# Altium PCB BatteryPack.PcbDoc (continued)
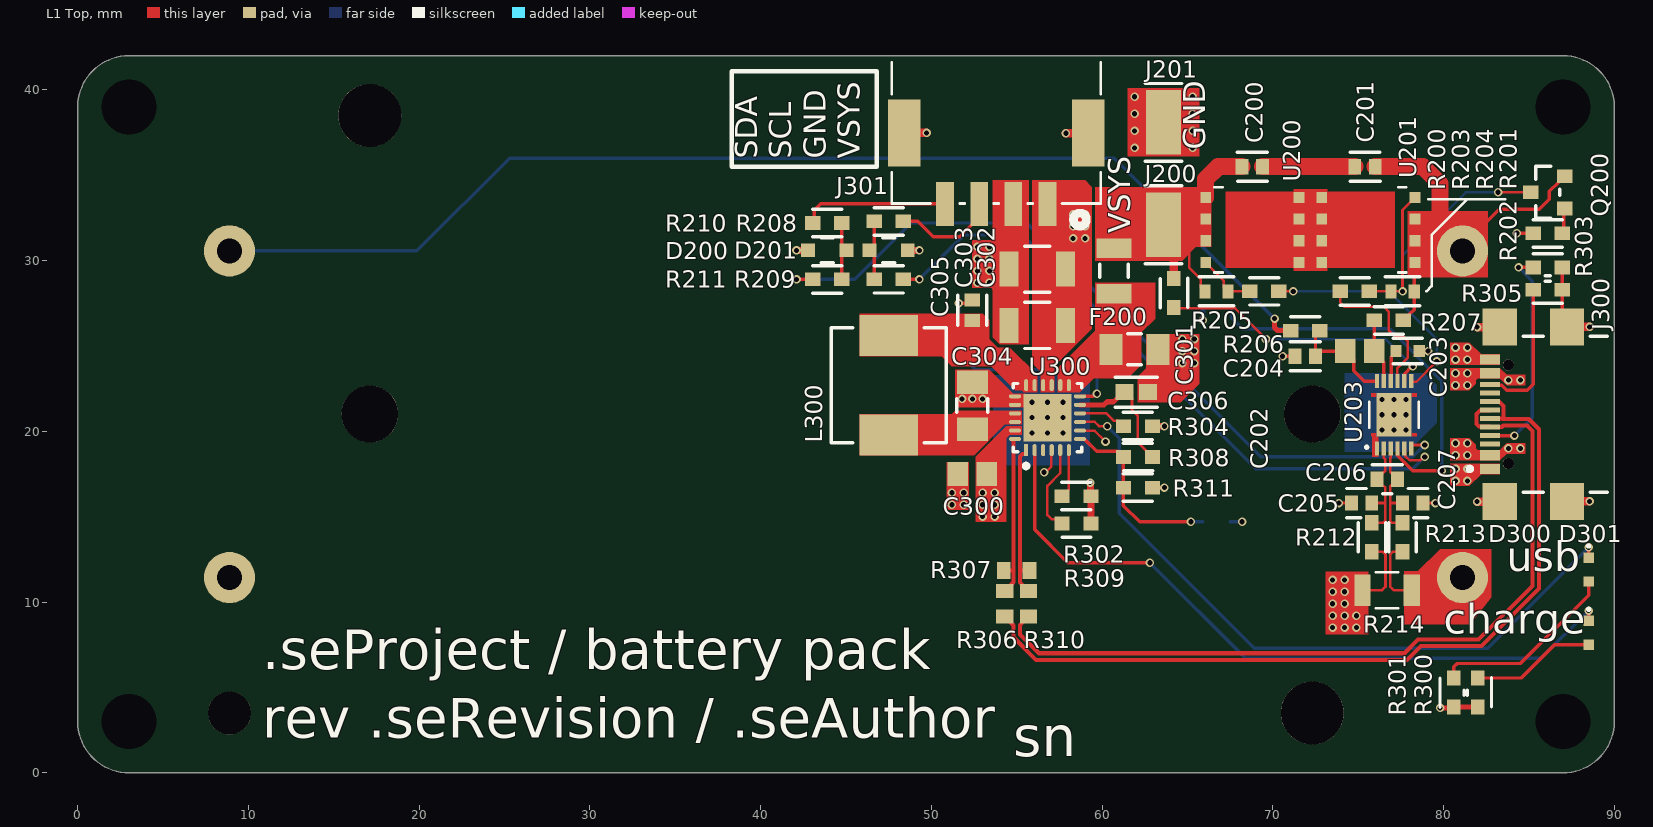
[diagram p0: L1 Top view]
## Footprints (in the part's own frame and the unit in brackets; to place one, negate y for a bottom-side part, rotate by r counter-clockwise, add the part's x,y. Pads: shape width x height; smd on the part's side, far side on the other; paste and mask are expansions set on the pad) (continued)
  silkscreen extent -26,-42 26,42, body extent -68,-36 68,36, height 35
VSON12_DRZ_TEX [mil]
  rect 32x10 smd paste+0 mask+0: 1(-77.5,39.37) 2(-77.5,23.62) 3(-77.5,7.87) 4(-77.5,-7.87) 5(-77.5,-23.62) 6(-77.5,-39.37) 7(77.5,-39.37) 8(77.5,-23.62) 9(77.5,-7.87) 10(77.5,7.87) 11(77.5,23.62) 12(77.5,39.37)
  rect 100x81 smd paste+0 mask+0: 13(0,0)
  L1 Top region: 42,-40.5 50,-40.5 50,-52.5 42,-52.5
  L1 Top region: -42,-40.5 -50,-40.5 -50,-52.5 -42,-52.5
  L1 Top region: 42,40.5 50,40.5 50,52.5 42,52.5
  L1 Top region: -42,40.5 -50,40.5 -50,52.5 -42,52.5
  silkscreen extent -78,-57 30,66, body extent -81,-53 81,53, height 32
WL-SMSW_0603_L1.6W0.98H0.8 [mm] "SMT Mono-color Side view Waterclear, body 1.6x0.98mm"
  rect 0.6x0.6 smd: 1(-1270.7,-1270.21) 2(-1269.3,-1270.21)
  silkscreen extent -1271.45,-1270.28 -1271.3,-1270.14, body extent -1270.8,-1270.5 -1269.2,-1269.52, height 0.8

## Part data
BT200: "THM Holder for Dual 18650 Batteries", Package=None, Supplier Part Number 1=36-1049-ND, Check_prices=https://www.snapeda.com/parts/1049/Keystone/view-part/?ref=eda, MF="Keystone Electronics", MP=1049, SnapEDA_Link=https://www.snapeda.com/parts/1049/Keystone/view-part/?ref=snap, Supplier 1=DigiKey, Supplier 2=Mouser, Supplier Part Number 2=534-1049
C200 C201 C204 C205 C206 C207: library part CMP-2006-03068-2, "CAP CER 0.1UF 50V 20% X7R 0603", Capacitance="0.10 μF", Manufacturer=KEMET, Package=C0603C-CF, Temperature="-55°C to +125°C", Temperature Characteristic=X7R, Temperature Coefficient=30ppm/°C, Temperature Range High=+125°C, Temperature Range Low=-55°C, Tolerance=0.2, Voltage Rating="50 V", Automotive=Yes, Automotive Grade="Grade 1", Category=Cap, ComponentLink2Description=Datasheet, ComponentLink2URL=https://api.kemet.com/component-edge/download/datasheet/C0603C100J5GACAUTO.pdf, Device Class L1="Passive Components", Device Class L2=Capacitors, Device Class L3="Ceramic Capacitors", Digikey Description="CAP CER 0.1UF 50V 20% X7R 0603", Height=0.87mm, Lead Free=Yes, Manufacturer Part Number=C0603C104M5RACTU, Material=Ceramic, Mouser Description="Multilayer Ceramic Capacitors MLCC - SMD/SMT 50volts 0.1uF X7R 20%", Octopart=https://octopart.com/c0603c104m5ractu-kemet-11855687, RoHS=TRUE
C202 C300: library part CMP-1036-04754-2, Manufacturer=Murata, Parameter 1=1μF, Part Number=GRM219R71E105KA88D
C203: library part CMP-2006-02820-2, "Chip Multilayer Ceramic Capacitors for General Purpose, 0603, 2.2uF, X5R, 15%, 10%, 25V", Capacitance=2.2uF, Case Code (Imperial)=0603, Case Code (Metric)=1608, Dielectric=X5R, Max Operating Temperature=85°C, Min Operating Temperature=-55°C, Package Quantity=4000, Resistor Type=Ceramic, Tolerance=10%, Voltage=25V, Case/Package=0603, Depth=0.8mm, Height=0.8mm, Lead Free="Lead Free", Length=1.6mm, Material=Ceramic, Mount="Surface Mount", Number of Pins=2, Packaging="Tape and Reel", Radiation Hardening=No, REACH SVHC="No SVHC", Termination=SMD/SMT, Thickness=0.035inch, Voltage Rating=25V, Voltage Rating (DC)=25V, Weight=0.000222oz, Width=0.8mm
C301 C304: library part CMP-06035-043219-1, "Chip Multilayer Ceramic Capacitors for General Purpose, 1206, 10uF, X7R, 15%, 20%, 25V"
C302 C303: library part CMP-06035-000114-2, "Chip Multilayer Ceramic Capacitors for General Purpose, 1210, 22uF, X7R, 15%, 20%, 25V", Capacitance=22uF, Case Code (Imperial)=1210, Case Code (Metric)=3225, Dielectric=X7R, Max Operating Temperature=125°C, Min Operating Temperature=-55°C, Package Quantity=4000, Resistor Type=Ceramic, Tolerance=20%, Voltage=25V, Case/Package=1210, Height=2.5mm, Length=0.126inch, Mount="Surface Mount", Packaging="Tape and Reel", Termination=SMD/SMT, Thickness=0.106inch, Voltage Rating=25V, Voltage Rating (DC)=25V, Weight=0.00388oz, Width=0.098inch
C305: library part CMP-2006-03851-2, "CAP CER 0.047UF 50V X7R 0603", Capacitance="47,000 pF", Manufacturer=KEMET, Package=C0603C-CF, Temperature="-55°C to +125°C", Temperature Characteristic=X7R, Temperature Coefficient=30ppm/°C, Temperature Range High=+125°C, Temperature Range Low=-55°C, Tolerance=0.2, Voltage Rating="50 V", Automotive=Yes, Automotive Grade="Grade 1", Category=Cap, ComponentLink2Description=Datasheet, ComponentLink2URL=https://api.kemet.com/component-edge/download/datasheet/C0603C100J5GACAUTO.pdf, Device Class L1="Passive Components", Device Class L2=Capacitors, Device Class L3="Ceramic Capacitors", Digikey Description="CAP CER 0.047UF 50V X7R 0603", Height=0.87mm, Lead Free=Yes, Manufacturer Part Number=C0603C473M5RACTU, Material=Ceramic, Mouser Description="Cap Ceramic 0.047uF 50V X7R 20% SMD 0603 125°C Paper T/R", Octopart=https://octopart.com/c0603c473m5ractu-kemet-9140001, RoHS=TRUE
C306: library part CMP-06035-024346-1, "Chip Multilayer Ceramic Capacitors for General Purpose, 0603, 4.7uF, X7R, 15%, 20%, 10V", Case/Package=0603, Parameter 1="4.7 μF"
D200 D201: library part CMP-07164-000002-1, "DIODE ZENER 5.6V 200MW SOD323F", Manufacturer="ON Semiconductor", Max Junction Temp=+150°C, Max Reverse Leakage Current=0.9uA, Max Zener Voltage=5.88V, Nom Zener Voltage=5.6V, Package=SOD-323F, Power Dissipation=200mW, Reverse Voltage=2V, Temperature="to +150°C", Automotive=No, Category=Diode, ComponentLink2Description=Datasheet, ComponentLink2URL=https://www.onsemi.com/pub/Collateral/MM3Z9V1C-D.pdf, Device Class L1="Discrete Semiconductors", Device Class L2=Diodes, Device Class L3="Zener Diodes", Digikey Description="DIODE ZENER 5.6V 200MW SOD323F", Height=1mm, Lead Free=Yes, Manufacturer Part Number=MM3Z5V6C, Mouser Description="Zener Diodes Diode Zener 5.6V 200mW 5%", Octopart=https://octopart.com/mm3z5v6c-on+semiconductor-84329899, RoHS=TRUE, Temperature Range High=+150°C, Zener Impedance=37Ω
D300 D301: library part CMP-03913-108242161-1, "155060VS75300 Led, Green, 60Mcd, 570Nm Rohs Compliant: Yes", Forward Current=30mA, Forward Voltage=2V, Max Operating Temperature=85°C, Max Reverse Voltage (DC)=5V, Min Operating Temperature=-40°C, Dominant Wavelength=570nm, Height=800µm, Length=1.6mm, Luminous Intensity=60mcd, NexarPartId=108242161, Peak Wavelength=572nm, RoHS=Compliant, Viewing Angle=140°, Width=980µm
F200: library part CMP-08605-000032-1, "FUSE BOARD MNT 5A 32VAC/VDC 1206", Fuse Current=5A, Fuse Interrupt Ac Current=50A, Fuse Voltage Drop=73.75mV, Manufacturer="Littelfuse Inc", Max Fuse Ac Voltage=32V, Package=0466, Resistance=0.011Ω, Temperature="-55°C to +90°C", Temperature Range High=+90°C, Temperature Range Low=-55°C, Automotive=No, Category=Fuse, ComponentLink2Description=Datasheet, ComponentLink2URL=https://www.littelfuse.com/~/media/electronics/datasheets/fuses/littelfuse_fuse_466_datasheet.pdf.pdf, Device Class L1="Circuit Protection", Device Class L2=Fuses, Device Class L3=unset, Digikey Description="FUSE BOARD MNT 5A 32VAC/VDC 1206", Fuse Blow Speed=Fast, Fuse I2T=2.5A2Sec, Fuse Interrupt Dc Current=50A, Height=0.66mm, Lead Free=Yes, Manufacturer Part Number=0466005.NR, Max Fuse Dc Voltage=32V, Mouser Description="Surface Mount Fuses 32V 5A VFA Slimline", Octopart=https://octopart.com/0466005.nr-littelfuse-143206, RoHS=TRUE, Voltage Rating=32V
J200 J201: library part CMP-1672-00008-2, Contact Material="Bronze, Silver", Contact Plating=Silver, Height=2.286mm, Lead Free="Lead Free", Material=Bronze, Mount="Surface Mount", NexarPartId=22052288, Number Of Contacts=1, Number of Pins=1, Packaging="Tape and Reel", REACH SVHC="No SVHC", RoHS=Compliant, Termination=SMD/SMT
J300: library part CMP-245163-000002-1, "CONN USB 2.0 TYPE-C R/A SMT", Current Rating=3/4.25/1.25/0.25A, Manufacturer=GCT, Package=0, Temperature="-40°C to +85°C", Temperature Range High=+85°C, Temperature Range Low=-40°C, Voltage Rating=20V, Automotive=No, Category=Conn, ComponentLink2Description=Datasheet, ComponentLink2URL=https://gct.co/files/drawings/usb4110.pdf, Conn Orientation="Right Angle", Contact Material=Gold,Nickel, Device Class L1=Connectors, Device Class L2="USB Connectors", Device Class L3=unset, Digikey Description="CONN USB 2.0 TYPE-C R/A SMT", Height=3.46mm, Is Female=yes, Lead Free=Yes, Manufacturer Part Number=USB4110-GF-A, Number Of Contacts=16, Octopart=https://octopart.com/usb4110-gf-a-gct-103941985, RoHS=TRUE, Shielding=true, Standoff Height=0.1mm, Usb Standard="USB 2.0"
J301: "2.00mm Pitch, Micro-Lock Plus PCB Header, Single Row, Right-Angle, Surface Mount, Matte Tin Plating, Positive Lock, 4 Circuits, Low-Halogen, Black", Manufacturer_Name="Molex Connector Corporation", Supplier Part Number 1=WM17949CT-ND, Copyright="Copyright (C) 2025 Ultra Librarian. All rights reserved.", Datasheet=https://www.molex.com/en-us/products/part-detail-pdf/5055780471?display=pdf, Manufacturer_Part_Number=5055780471, RefDes=RefDes, Supplier 1=DigiKey, Supplier 2=DigiKey, Supplier 3=Mouser, Supplier Part Number 2=WM17949DKR-ND, Supplier Part Number 3=538-505578-0471, Type=Type
L300: library part CMP-02424-000599-1, "Commercial Inductors, High Saturation Series 1uH 11A 10mΩ 20%", Case/Package=2525, Current Rating=11A, DC Resistance (DCR)=10mR, Inductance=1uH, Inductance Tolerance=20%, Max Operating Temperature=125°C, Min Operating Temperature=-55°C, Package Quantity=2000, Saturation Current=22A, Self Resonant Frequency=5MHz, Test Frequency=100kHz, Contact Plating=Tin, Core Material=Metal, Depth=6.72mm, Height=3mm, Lead Free="Lead Free", Length=7.24mm, Max DC Current=11A, Military Standard=Not, Mount="Surface Mount", Number of Pins=2, Packaging="Tape and Reel", Radiation Hardening=No, RMS Current (Irms)=11A, Shielding=Shielded, Termination=SMD/SMT, Tolerance=20%, Width=6.47mm
Q200: library part CMP-07173-000009-1, "MOSFET N-CH 60V 300MA SOT23", Continuous Drain Current=320mA, Drain to Source Breakdown Voltage=60V, Drain to Source Resistance=1.19Ω, Gate To Source Voltage=20V, Input Capacitace At Vds="24.5pF @ 20V", Manufacturer="ON Semiconductor", Max Forward Diode Voltage=1.2V, Max Junction Temp=+150°C, Package=318-08, Power Dissipation=300mW, Pulse Drain Current=5A, Temperature="-55°C to +150°C", Temperature Range Low=-55°C, Typ Forward Diode Voltage=0.8V, Automotive=No, Category=Trans, ComponentLink2Description=Datasheet, ComponentLink2URL=https://www.onsemi.com/pub/Collateral/2N7002K-D.pdf, Depletion Mode=False, Device Class L1="Discrete Semiconductors", Device Class L2=Transistors, Device Class L3=MOSFETs, Digikey Description="MOSFET N-CH 60V 300MA SOT23", Drain To Source Voltage=60V, Footprint Url=https://www.onsemi.com/pub/Collateral/318-08.PDF, Gate Charge At Vgs="0.7nC @ 4.5V", Height=1.11mm, Ipc Land Pattern Name=SOT95P240X100-3, Lead Free=Yes, Manufacturer Part Number=2N7002K, Mouser Description="N-Channel 60 V 2 Ohm SMT Enhancement Mode Field Effect Transistor SOT-23", Number Of Channels=1, Number Of N Channels=1, Octopart=https://octopart.com/2n7002k-on+semiconductor-84408900, RoHS=TRUE, Rthja Max=417°C/W, Standoff Height=0.01mm, Temperature Range High=+150°C, Threshold Vgs Max=2.3V, Threshold Vgs Min=1V, Transconductance=0.53S, Turn Off Delay Time=55.8ns, Turn On Delay Time=12.2ns
R200 R201: library part CMP-03412-018066-2, "RES 10MΩ 1.00% 0.1W 0603", Case Code (Imperial)=0603, Case Code (Metric)=1608, Max Operating Temperature=155°C, Max Power Dissipation=100mW, Min Operating Temperature=-55°C, Resistance=10MR, Resistor Type="Thick Film", Temperature Coefficient=100ppm/°C, Tolerance=1%, Voltage Rating=50V, Case/Package=0603, Features="Moisture Resistant", Height=0.022inch, Length=0.063inch, Number of Terminations=2, Packaging="Tape and Reel", Power Rating=100mW, RoHS Compliant=Yes, Series=AC, Termination=SMD/SMT, Weight=7.1E-05oz, Width=0.8mm
R202 R309: library part CMP-03412-005349-1, "RES SMD 10K OHM 1% 1/10W 0603", Manufacturer=Yageo, Package=RT0603, Power Rating=0.1W, Resistance=10KΩ, Temperature="-55°C to +155°C", Temperature Coefficient="50 ppm/°C", Temperature Range High=+155°C, Temperature Range Low=-55°C, Tolerance=0.01, Voltage Rating=75V, Automotive=No, Category=Res, ComponentLink2Description=Datasheet, ComponentLink2URL=http://www.yageo.com/documents/recent/PYu-RT_1-to-0.01_RoHS_L_9.pdf, Composition="Thin Film", Device Class L1="Passive Components", Device Class L2=Resistors, Device Class L3="Chip SMD Resistors", Digikey Description="RES SMD 10K OHM 1% 1/10W 0603", Footprint Url=http://www.yageo.com/exep/pages/download/literatures/PYu-R_Mount_10.pdf, Height=0.55mm, Ipc Land Pattern Name=RESC16080X45, Lead Free=Yes, Manufacturer Part Number=RT0603FRE0710KL, Mouser Description="Thin Film Resistors - SMD 10K ohm 1% 1/10W", Octopart=https://octopart.com/rt0603fre0710kl-yageo-40009243, RoHS=TRUE, Series=RT
R203 R204 R303 R305: library part CMP-2000-04778-2, "RES SMD 5.1K OHM 1% 1/10W 0603", Manufacturer=Yageo, Package=RT0603, Power Rating=0.1W, Resistance=5.1KΩ, Temperature="-55°C to +155°C", Temperature Coefficient="50 ppm/°C", Temperature Range High=+155°C, Temperature Range Low=-55°C, Tolerance=0.01, Voltage Rating=75V, Automotive=No, Category=Res, ComponentLink2Description=Datasheet, ComponentLink2URL=http://www.yageo.com/documents/recent/PYu-RT_1-to-0.01_RoHS_L_9.pdf, Composition="Thin Film", Device Class L1="Passive Components", Device Class L2=Resistors, Device Class L3="Chip SMD Resistors", Digikey Description="RES SMD 5.1K OHM 1% 1/10W 0603", Footprint Url=http://www.yageo.com/exep/pages/download/literatures/PYu-R_Mount_10.pdf, Height=0.55mm, Ipc Land Pattern Name=RESC16080X45, Lead Free=Yes, Manufacturer Part Number=RT0603FRE075K1L, Mouser Description="Res Thin Film 0603 5.1K Ohm 1% 0.1W(1/10W) ±50ppm/C Epoxy Pad SMD T/R", Octopart=https://octopart.com/rt0603fre075k1l-yageo-1421390, RoHS=TRUE, Series=RT
R205: library part CMP-03412-033408-1, "RES SMD 10 OHM 1% 1/10W 0603", Manufacturer=Yageo, Package=RT0603, Power Rating=0.1W, Resistance=10Ω, Temperature="-55°C to +155°C", Temperature Coefficient="50 ppm/°C", Temperature Range High=+155°C, Temperature Range Low=-55°C, Tolerance=0.01, Voltage Rating=75V, Automotive=No, Category=Res, ComponentLink2Description=Datasheet, ComponentLink2URL=http://www.yageo.com/documents/recent/PYu-RT_1-to-0.01_RoHS_L_9.pdf, Composition="Thin Film", Device Class L1="Passive Components", Device Class L2=Resistors, Device Class L3="Chip SMD Resistors", Digikey Description="RES SMD 10 OHM 1% 1/10W 0603", Footprint Url=http://www.yageo.com/exep/pages/download/literatures/PYu-R_Mount_10.pdf, Height=0.55mm, Ipc Land Pattern Name=RESC16080X45, Lead Free=Yes, Manufacturer Part Number=RT0603FRE0710RL, Mouser Description="Thin Film Resistors - SMD 1/10W 10 ohm 1% 50ppm", Octopart=https://octopart.com/rt0603fre0710rl-yageo-39827693, RoHS=TRUE, Series=RT
R206 R208 R209 R210 R211 R212 R213: library part CMP-03412-022806-1, "RES SMD 100 OHM 1% 1/10W 0603", Manufacturer=Yageo, Package=RT0603, Power Rating=0.1W, Resistance=100Ω, Temperature="-55°C to +155°C", Temperature Coefficient="50 ppm/°C", Temperature Range High=+155°C, Temperature Range Low=-55°C, Tolerance=0.01, Voltage Rating=75V, Automotive=No, Category=Res, ComponentLink2Description=Datasheet, ComponentLink2URL=http://www.yageo.com/documents/recent/PYu-RT_1-to-0.01_RoHS_L_9.pdf, Composition="Thin Film", Device Class L1="Passive Components", Device Class L2=Resistors, Device Class L3="Chip SMD Resistors", Digikey Description="RES SMD 100 OHM 1% 1/10W 0603", Footprint Url=http://www.yageo.com/exep/pages/download/literatures/PYu-R_Mount_10.pdf, Height=0.55mm, Ipc Land Pattern Name=RESC16080X45, Lead Free=Yes, Manufacturer Part Number=RT0603FRE07100RL, Mouser Description="Thin Film Resistors - SMD 1/10W 100 ohm 1% 50ppm", Octopart=https://octopart.com/rt0603fre07100rl-yageo-39792638, RoHS=TRUE, Series=RT
R207: library part CMP-03412-016927-1, "RES SMD 5.1 OHM 1% 1/10W 0603", Manufacturer=Yageo, Package=RT0603, Power Rating=0.1W, Resistance=5.1Ω, Temperature="-55°C to +155°C", Temperature Coefficient="50 ppm/°C", Temperature Range High=+155°C, Temperature Range Low=-55°C, Tolerance=0.01, Voltage Rating=75V, Automotive=No, Category=Res, ComponentLink2Description=Datasheet, ComponentLink2URL=http://www.yageo.com/documents/recent/PYu-RT_1-to-0.01_RoHS_L_9.pdf, Composition="Thin Film", Device Class L1="Passive Components", Device Class L2=Resistors, Device Class L3="Chip SMD Resistors", Digikey Description="RES SMD 5.1 OHM 1% 1/10W 0603", Footprint Url=http://www.yageo.com/exep/pages/download/literatures/PYu-R_Mount_10.pdf, Height=0.55mm, Ipc Land Pattern Name=RESC16080X45, Lead Free=Yes, Manufacturer Part Number=RT0603FRE075R1L, Octopart=https://octopart.com/rt0603fre075r1l-yageo-25630341, RoHS=TRUE, Series=RT
R214: "Description", Manufacturer_Name="Stackpole International", Supplier Part Number 1=CSNL1206FT1L00CT-ND, Copyright="Copyright (C) 2025 Ultra Librarian. All rights reserved.", Manufacturer_Part_Number=CSNL1206FT1L00, Parameter 1=1mΩ, Supplier 1=DigiKey, Supplier 2=DigiKey, Supplier 3=DigiKey, Supplier 4=Mouser, Supplier Part Number 2=CSNL1206FT1L00DKR-ND, Supplier Part Number 3=CSNL1206FT1L00TR-ND, Supplier Part Number 4=708-CSNL1206FT1L00
R300 R301: library part CMP-03412-033768-1, "RES SMD 2.2K OHM 1% 1/10W 0603", Manufacturer=Yageo, Package=RT0603, Power Rating=0.1W, Resistance=2.2KΩ, Temperature="-55°C to +155°C", Temperature Coefficient="50 ppm/°C", Temperature Range High=+155°C, Temperature Range Low=-55°C, Tolerance=0.01, Voltage Rating=75V, Automotive=No, Category=Res, ComponentLink2Description=Datasheet, ComponentLink2URL=http://www.yageo.com/documents/recent/PYu-RT_1-to-0.01_RoHS_L_9.pdf, Composition="Thin Film", Device Class L1="Passive Components", Device Class L2=Resistors, Device Class L3="Chip SMD Resistors", Digikey Description="RES SMD 2.2K OHM 1% 1/10W 0603", Footprint Url=http://www.yageo.com/exep/pages/download/literatures/PYu-R_Mount_10.pdf, Height=0.55mm, Ipc Land Pattern Name=RESC16080X45, Lead Free=Yes, Manufacturer Part Number=RT0603FRE072K2L, Mouser Description="High Precision-High Stability Chip Resistor Thin Film 0603 2.2kOhm 1% Paper T/R", Octopart=https://octopart.com/rt0603fre072k2l-yageo-40019811, RoHS=TRUE, Series=RT
R302: library part CMP-03412-003286-1, "RES SMD 150K OHM 1% 1/10W 0603", Manufacturer=Yageo, Package=RT0603, Power Rating=0.1W, Resistance=150KΩ, Temperature="-55°C to +155°C", Temperature Coefficient="50 ppm/°C", Temperature Range High=+155°C, Temperature Range Low=-55°C, Tolerance=0.01, Voltage Rating=75V, Automotive=No, Category=Res, ComponentLink2Description=Datasheet, ComponentLink2URL=http://www.yageo.com/documents/recent/PYu-RT_1-to-0.01_RoHS_L_9.pdf, Composition="Thin Film", Device Class L1="Passive Components", Device Class L2=Resistors, Device Class L3="Chip SMD Resistors", Digikey Description="RES SMD 150K OHM 1% 1/10W 0603", Footprint Url=http://www.yageo.com/exep/pages/download/literatures/PYu-R_Mount_10.pdf, Height=0.55mm, Ipc Land Pattern Name=RESC16080X45, Lead Free=Yes, Manufacturer Part Number=RT0603FRE07150KL, Mouser Description="High Precision-High Stability Chip Resistor Thin Film 0603 150kOhm 1% Paper T/R", Octopart=https://octopart.com/rt0603fre07150kl-yageo-39990114, RoHS=TRUE, Series=RT
R304: library part CMP-03412-009081-1, "RES SMD 5.6K OHM 1% 1/10W 0603", Manufacturer=Yageo, Package=RT0603, Power Rating=0.1W, Resistance=5.6KΩ, Temperature="-55°C to +155°C", Temperature Coefficient="50 ppm/°C", Temperature Range High=+155°C, Temperature Range Low=-55°C, Tolerance=0.01, Voltage Rating=75V, Automotive=No, Category=Res, ComponentLink2Description=Datasheet, ComponentLink2URL=http://www.yageo.com/documents/recent/PYu-RT_1-to-0.01_RoHS_L_9.pdf, Composition="Thin Film", Device Class L1="Passive Components", Device Class L2=Resistors, Device Class L3="Chip SMD Resistors", Digikey Description="RES SMD 5.6K OHM 1% 1/10W 0603", Footprint Url=http://www.yageo.com/exep/pages/download/literatures/PYu-R_Mount_10.pdf, Height=0.55mm, Ipc Land Pattern Name=RESC16080X45, Lead Free=Yes, Manufacturer Part Number=RT0603FRE075K6L, Mouser Description="Res Thin Film 0603 5.6K Ohm 1% 1/10W ?50ppm/C Molded SMD SMD Paper T/R", Octopart=https://octopart.com/rt0603fre075k6l-yageo-40030215, RoHS=TRUE, Series=RT
R306 R307 R310: library part CMP-2100-03667-1, "Chip Resistor, 0 Ohm, +/- 5%, 0.1 W, -55 to 155 degC, 0603 (1608 Metric), RoHS, Tape and Reel", Case Code (Imperial)=0603, Case Code (Metric)=1608, Manufacturer=Yageo, Max Operating Temperature=155degC, Min Operating Temperature=-55degC, Package Description="2-Pin Surface Mount Device, Body 1.6 x 0.8 mm", Package Quantity=5000, Power Rating=100mW, Resistance=0mOhm, Temperature Coefficient=200ppm/degreesC, Tolerance=5%, Voltage Rating=50V, Case/Package=0603, Composition=ThickFilm, Contact Plating=Tin, Datasheet URL=http://www.yageo.com/NewPortal/yageodocoutput?fileName=/pdf/R-Chip/PYu-RC_Group_51_RoHS_L_5.pdf, Datasheet Version="Rev. 5, 10/2016", Depth=0.8mm, Height=0.45mm, Lead Free=LeadFree, Length=1.6mm, Manufacturer URL=http://www.yageo.com/, Military Standard=Not, Number of Pins=2, Package Reference=0603, Packaging=TapeandReel, Radiation Hardening=No, REACH SVHC=NoSVHC, RoHSCompliant=true, Termination=SMD/SMT, Voltage Rating (DC)=50V, Width=0.8mm
R308: library part CMP-03412-006003-1, "RES SMD 5.23K OHM 1% 1/10W 0603", Manufacturer=Yageo, Package=RT0603, Power Rating=0.1W, Resistance=5.23KΩ, Temperature="-55°C to +155°C", Temperature Coefficient="50 ppm/°C", Temperature Range High=+155°C, Temperature Range Low=-55°C, Tolerance=0.01, Voltage Rating=75V, Automotive=No, Category=Res, ComponentLink2Description=Datasheet, ComponentLink2URL=http://www.yageo.com/documents/recent/PYu-RT_1-to-0.01_RoHS_L_9.pdf, Composition="Thin Film", Device Class L1="Passive Components", Device Class L2=Resistors, Device Class L3="Chip SMD Resistors", Digikey Description="RES SMD 5.23K OHM 1% 1/10W 0603", Footprint Url=http://www.yageo.com/exep/pages/download/literatures/PYu-R_Mount_10.pdf, Height=0.55mm, Ipc Land Pattern Name=RESC16080X45, Lead Free=Yes, Manufacturer Part Number=RT0603FRE075K23L, Mouser Description="Thin Film Resistors 1/10W 5.23K ohm 1% 50ppm", Octopart=https://octopart.com/rt0603fre075k23l-yageo-1422860, RoHS=TRUE, Series=RT
R311: library part CMP-2000-04723-2, "RES SMD 30.1K OHM 1% 1/10W 0603", Manufacturer=Yageo, Package=RT0603, Power Rating=0.1W, Resistance=30.1KΩ, Temperature="-55°C to +155°C", Temperature Coefficient="50 ppm/°C", Temperature Range High=+155°C, Temperature Range Low=-55°C, Tolerance=0.01, Voltage Rating=75V, Automotive=No, Category=Res, ComponentLink2Description=Datasheet, ComponentLink2URL=http://www.yageo.com/documents/recent/PYu-RT_1-to-0.01_RoHS_L_9.pdf, Composition="Thin Film", Device Class L1="Passive Components", Device Class L2=Resistors, Device Class L3="Chip SMD Resistors", Digikey Description="RES SMD 30.1K OHM 1% 1/10W 0603", Footprint Url=http://www.yageo.com/exep/pages/download/literatures/PYu-R_Mount_10.pdf, Height=0.55mm, Ipc Land Pattern Name=RESC16080X45, Lead Free=Yes, Manufacturer Part Number=RT0603FRE0730K1L, Mouser Description="Res Thin Film 0603 30.1K Ohm 1% 1/10W ±50ppm/°C SMD Paper T/R", Octopart=https://octopart.com/rt0603fre0730k1l-yageo-1278177, RoHS=TRUE, Series=RT
U200 U201: "25-V, N channel NexFETâ„¢ power MOSFET, single SON 5 mm x 6 mm, 16 mOhm 8-VSONP -55 to 150", Manufacturer_Name="Texas Instruments", Supplier Part Number 1=296-24256-1-ND, Copyright="Copyright (C) 2025 Ultra Librarian. All rights reserved.", Datasheet=https://www.ti.com/lit/gpn/csd16412q5a, Manufacturer_Part_Number=CSD16412Q5A, RefDes=RefDes, Supplier 1=DigiKey, Supplier 2=DigiKey, Supplier 3=Mouser, Supplier Part Number 2=296-24256-6-ND, Supplier Part Number 3=595-CSD16412Q5A, Type=Type
U202 U301: library part CMP-02404-000014-2, "THERMISTOR NTC 10KOHM 3435K 0603", Case Code (Imperial)=0603, Case Code (Metric)=1608, Max Operating Temperature=150°C, Max Power Dissipation=125mW, Min Operating Temperature=-40°C, Resistance=10kΩ, Tolerance=1%, Case/Package=0603, Contact Plating=Tin, Depth=800µm, Height=800µm, Length=1.6mm, Mount="Surface Mount", NexarPartId=44562204, Number of Pins=2, Packaging="Cut Tape (CT)", Power Rating=125mW, RoHS=Compliant, Schedule B="8533400080, 8533400080", Termination=SMD/SMT, Weight=1.19068mg, Width=800µm
U203: "Battery fuel gauge with integrated protector for 1-series to 2 series packs with 1.2-V I/O 12-SON -40 to 85", Manufacturer_Name="Texas Instruments", Supplier Part Number 1=296-BQ28Z620DRZRCT-ND, Copyright="Copyright (C) 2025 Ultra Librarian. All rights reserved.", Manufacturer_Part_Number=BQ28Z620DRZR, RefDes=RefDes, Supplier 1=DigiKey, Supplier 2=DigiKey, Supplier 3=Mouser, Supplier Part Number 2=296-BQ28Z620DRZRDKR-ND, Supplier Part Number 3=595-BQ28Z620DRZR, Type="Power Management"
U300: library part CMP-04911-000046-1, "PWR MGMT BATTERY MGMT"

## Free pads (board coordinates)
  round 0 hole 3.2 unplated mask-2539.97: ""(3,3) ""(3,39) ""(87,3) ""(87,39)

## Via types
v1: diameter 0.5, hole 0.3, L1 Top to L4 Bottom, tented both sides, 115 vias
v2: diameter 0.5, hole 0.3, L1 Top to L4 Bottom, 18 vias

## Nets (pads, with @x,y where several pads share a name; then routed paths per layer and width w, separated by ;. In a path a pad name is that pad's centre, name@x,y a point inside that pad or via, vN(x,y) a via of type N, cw(c..) or ccw(c..) an arc to the next point about the centre after c; other vN are vias at no path point)
BGND: BT200.N2 C203.2 C204.1 C205.1 C207.2 R202.1 R213.1 R214.2 U202.2 U203.1 U203.13 | length 8.6
  L1 Top w0.15: R213.1 77.05,12.95 76.875,12.775 76.875,10.9 77.075,10.7 R214.2
  L1 Top w0.2: v1(70.575,24.4) C204.1 ; v1(73.875,15.8) C205.1 ; C203.2 v1(79.1,24.7) ; C207.2 v1(79.525,15.8) ; v1(84.3,31.6) R202.1@85.35,31.6
  L4 Bottom w0.3: v1(65.9,26.5) U202.2
  other v2: 76.4,20.069 77.1,20.069 77.8,20.068 76.4,20.969 77.1,20.969 77.8,20.968 76.4,21.868 77.1,21.868 77.8,21.868
DN: R307.1 R310.1 U300.1 | length 9.3
  L1 Top w0.24: 55.196,11.858 R307.1 ; U300.1 55.55,18.664 55.341,18.664 55.2,18.523 55.2,11.7 55.2,11.15 R310.1
DP: R306.1 R307.2 U300.24 | length 9.7
  L1 Top w0.24: R307.2 54.806,11.858 ; R306.1 54.81,11.16 54.81,11.7 54.81,19.397 54.777,19.43 U300.24
GND: C300.1 C301.1 C302.1 C303.1 C304.1 C306.1 D200.1 D201.1 J201.1 J300.1 J300.2 J300.3 J300.4 J300.A1-B12 J300.B1-A12 J301.2 J301.5 J301.6 R212.1 R214.1 R302.1 R303.1 R304.1 R305.1 R309.1 R311.1 U300.4 U300.8 U300.19 U300.20 U300.25 U301.1 | length 28.2
  L1 Top w0.15: v2(55.9,19.9) 55.983,19.983 U300.25@55.983,20.983 ; v1(56.6,17.6) 56.688,17.6 57.033,17.945 U300.4@57.033,18.88 ; v2(56.8,19.9) v2(56.8,20.8) U300.25@56.8,20.966 ; U300.25@57.583,20.983 57.7,20.866 v2(57.7,20.8) v2(57.7,19.9) ; U300.8 58.72,20.033 59.567,20.033 v1(60.2,19.4) ; R214.1 76.4,10.7 76.6,10.9 76.6,12.775 76.425,12.95 R212.1
  L1 Top w0.2: R311.1 v1(63.65,16.7) ; R303.1 R305.1 86.95,26.385 J300.4
  L1 Top w0.4: v1(42.1,30.6) D200.1 ; D201.1 v1(49.3,30.6) ; v1(59.3,17) 59.319,16.981 59.319,16.231 R302.1 R309.1 ; R304.1 v1(63.65,20.3)
  L1 Top w0.5: J301.6 48.41,37.481 v1(49.725,37.481) ; v1(57.875,37.461) 59.19,37.461 J301.5 ; v1(81.97,15.88) 83.285,15.88 J300.1 ; v1(81.97,26.1) 83.285,26.1 J300.2 J300.2@83.305,26.12 ; J300.3 87.235,15.9 v1(88.55,15.9) ; J300.4 87.235,26.12 v1(88.55,26.12)
  L4 Bottom w0.2: U301.1 v1(68.2,14.7)
  other v1: 73.5,8.5 74.2,8.5 74.9,8.5 73.5,9.2 74.2,9.2 74.9,9.2 73.5,9.9 74.2,9.9 73.5,10.6 74.2,10.6 73.5,11.3 74.2,11.3 51.2,15.7 51.9,15.7 51.2,16.4 51.9,16.4 80.7,17.1 81.4,17.1 80.7,17.8 81.4,17.8 51.8,21.9 52.4,21.9 53,21.9 64.7,24 65.4,24 80.7,24.2 81.4,24.2 64.7,24.7 65.4,24.7 80.7,24.9 81.4,24.9 64.7,25.4 65.4,25.4 52.7,28.7 53.4,28.7 52.7,29.4 53.4,29.4 52.7,30.1 53.4,30.1 52.7,30.8 53.4,30.8 61.9,36.6 65.3,36.6 61.9,37.6 65.3,37.6 61.9,38.6 65.3,38.6 61.9,39.6 65.3,39.6
  other v2: 55.9,20.8 55.9,21.7 56.8,21.7 57.7,21.7
NetBT200_N1: BT200.N1 BT200.P2 R206.1 | length 68.9
  L1 Top w0.3: v1(70.1,26.6) 70.1,26.076 70.276,25.9 R206.1
  L4 Bottom w0.2: BT200.N1 19.865,30.565 25.3,36 60.7,36 v1(70.1,26.6)
NetBT200_P1: BT200.P1 C201.2 Q200.2 R201.2 R207.2 U201.1 U201.2 U201.3 | length 20.7
  L1 Top w0.2: R207.2 77.7,26.5 78,26.8 78,26.85 78.277,27.127 R201.2 78.277,29.837 U201.1 ; BT200.P1 81.11,30.91 81.165,30.91 83.255,33 85.6,33 86.2,33.6 86.2,34.05 86.75,34.6 86.75,34.65 87.05,34.95 Q200.2
  L1 Top w1: C201.2 78.8,35.5 79.8,34.5 79.8,31.875 BT200.P1
NetC200_1: C200.1 F200.2 J200.1 R200.2 R205.2 U200.1 U200.2 U200.3 | length 11.1
  L1 Top w0.15: R200.2 65.769,28.454 65.769,28.931 65.1,29.6 65.1,30.9 65.365,31.165 U200.3
  L1 Top w0.5: J200.1 64.2,31.5 R205.2
  L1 Top w1: U200.1 66.065,34.765 66.8,35.5 C200.1
NetC200_2: C200.2 C201.1 | length 5.4
  L1 Top w1: C200.2 C201.1
NetC202_1: C202.1 R207.1 U203.11 | length 3.8
  L1 Top w0.2: R207.1 C202.1 75.95,24.6 76.5,24.05 U203.11
NetC202_2: C202.2 C204.2 R206.2 U203.12 | length 7
  L1 Top w0.2: R206.2 72.5,25.65 C204.2 72.5,24.425 72.775,24.7 C202.2@73.95,24.7 ; U203.12@76.1,23.216 U203.12 75.363,22.937 74.75,23.55 74.75,24.2 C202.2 ; C202.2@73.95,24.7 C202.2 ; C202.2@73.95,24.7 C202.2
NetC203_1: C203.1 U203.10 | length 1.9
  L1 Top w0.2: U203.10 76.927,22.964 76.927,24.377 77.225,24.675 C203.1
NetC205_2: C205.2 C206.1 R212.2 U203.2 | length 6.2
  L1 Top w0.15: R212.2 76.487,14.65 76.575,14.738 76.575,15.8 ; C205.2 76.575,15.8 ; U203.2@76.5,18.931 76.5,18.45 76.575,18.375 76.575,17.675 C206.1 76.575,16.725 76.575,15.863 76.575,15.8
NetC206_2: C206.2 C207.1 R213.2 U203.3 | length 6
  L1 Top w0.15: U203.3@76.9,18.931 76.9,18.45 76.875,18.425 76.875,17.625 C206.2 76.875,16.775 76.875,15.8 ; R213.2 76.963,14.65 76.875,14.738 76.875,15.8 ; C207.1 76.875,15.8
NetC301_2: C301.2 F200.1 U300.13 U300.14
NetC304_2: C304.2 L300.2 U300.21 U300.22
NetC305_1: C305.1 U300.12 | length 14.5
  L1 Top w0.2: v1(51.6,27.5) 52.2,27.5 C305.1 ; U300.12 59.469,22.05 59.619,22.2 v1(59.7,22.2)
  L4 Bottom w0.2: v1(51.6,27.5) 51.6,24.6 52.6,23.6 59.3,23.6 59.7,23.2 v1(59.7,22.2)
NetC305_2: C305.2 L300.1 U300.17 U300.18
NetD200_2: D200.2 R210.1 R211.2 | length 3.5
  L1 Top w0.2: R211.2 44.75,30.325 D200.2 44.75,30.875 R210.1
NetD201_2: D201.2 R208.1 R209.2 | length 3.4
  L1 Top w0.2: R208.1 46.65,30.622 46.65,29 R209.2@46.75,28.9
NetD300_1: D300.1 U300.2 | length 42
  L1 Top w0.2: U300.2 56.05,14.25 58,12.3 v1(62.8,12.3) ; D300.1 v1(88.5,9.5)
  L4 Bottom w0.2: v1(62.8,12.3) 68.4,6.7 85.7,6.7 v1(88.5,9.5)
NetD300_2: D300.2 R300.2 | length 7.3
  L1 Top w0.2: R300.2 84.55,5.55 86.5,7.5 D300.2
NetD301_2: D301.2 R301.1 | length 11.1
  L1 Top w0.2: R301.1 80.6,6.2 80.8,6.4 84.5,6.4 88.5,10.4 D301.2
NetJ300_A5: J300.A5 R303.2 | length 12.9
  L1 Top w0.2: J300.A5 v1(84.15,19.75) ; v1(84.4,29.6) R303.2
  L4 Bottom w0.2: v1(84.15,19.75) 85.2,20.8 85.2,28.8 v1(84.4,29.6)
NetJ300_A6: J300.A6 J300.B6 R306.2 | length 48.6
  L1 Top w0.24: R306.2 54.81,8.64 54.81,7.938 56.138,6.61 77.862,6.61 78.672,7.42 82.22,7.42 85.59,10.79 85.59,20.121 84.991,20.72 83.445,20.72 83.415,20.75 ; J300.A6 83.415,20.75 ; J300.B6 82.75,21.72 83.286,21.72 83.515,21.491 83.515,20.85 83.415,20.75
NetJ300_A7: J300.A7 J300.B7 R310.2 | length 47.4
  L1 Top w0.24: R310.2 55.2,8.65 55.2,8.1 56.3,7 77.7,7 78.5,7.8 82.048,7.8 85.2,10.952 85.2,20.03 84.9,20.33 83.495,20.33 83.415,20.25 J300.B7 82.69,20.28 82.066,20.28 81.925,20.421 81.925,21.004 82.141,21.22 82.69,21.22 J300.A7
NetJ300_B5: J300.B5 R305.2 | length 8.4
  L1 Top w0.2: J300.B5 82.77,22.7 83.4,22.7 83.7,22.4 84.9,22.4 85.25,22.75 R305.2
NetJ301_3: J301.3 R208.2 | length 6.1
  L1 Top w0.2: R208.2 49.2,32.3 50.1,31.4 51.654,31.4 52.8,32.546 J301.3
NetJ301_4: J301.4 R210.2 | length 8.5
  L1 Top w0.2: R210.2@43.15,32.3 43.15,32.95 43.521,33.321 J301.4
NetQ200_1: Q200.1 R202.2 | length 1.5
  L1 Top w0.2: R202.2@87,31.6 87.05,31.6 87.05,33 Q200.1
NetQ200_3: Q200.3 R201.1 R204.2 U201.4 | length 18.9
  L1 Top w0.15: R204.2 R201.1 v1(77.597,28.2) ; v1@77.597,28.203 77.597,32.957 78.335,33.695 U201.4 ; v1(83.2,34) Q200.3
  L4 Bottom w0.15: v1(77.597,28.2) 77.597,30.297 81.3,34 v1(83.2,34)
NetR200_1: R200.1 R203.2 U200.4 | length 3.5
  L1 Top w0.15: U200.4 66.065,29.885 67.122,28.828 67.122,28.454 R200.1 R203.2
NetR203_1: R203.1 U203.7 | length 13.7
  L1 Top w0.15: R203.1 v1(71.2,28.2) ; U203.7 78.115,22.937 78.152,22.9 78.4,22.9 v1(79.6,24.1)
  L4 Bottom w0.15: v1(71.2,28.2) 76.8,28.2 79.6,25.4 v1(79.6,24.1)
NetR204_1: R204.1 U203.9 | length 8.8
  L1 Top w0.15: R204.1 73.95,27.55 74.2,27.3 76.5,27.3 76.8,27 76.8,25.9 77.1,25.6 77.6,25.6 77.9,25.3 77.9,24.3 77.3,23.7 U203.9
NetR205_1: R205.1 U203.8 | length 16.5
  L1 Top w0.15: R205.1 64.25,27.2 67.8,27.2 v1(69.6,25.4)
  L1 Top w0.2: U203.8 77.727,22.964 77.727,23.38 78.147,23.8 v1(78.2,23.8)
  L4 Bottom w0.15: v1(69.6,25.4) 76.6,25.4 v1(78.2,23.8)
NetR209_1: R209.1 U203.5 | length 39.4
  L1 Top w0.15: U203.5 77.752,18.948 77.752,18.567 78.019,18.3 78.628,18.3 78.828,18.5 v1(78.9,18.5)
  L1 Top w0.2: R209.1 v1(49.3,28.9)
  L4 Bottom w0.2: v1(49.3,28.9) 51.9,31.5 55.31,31.5 69.01,17.8 78.2,17.8 v1(78.9,18.5)
NetR211_1: R211.1 U203.6 | length 46.1
  L1 Top w0.15: U203.6 78.1,19.148 78.152,19.2 v1(78.9,19.2)
  L1 Top w0.2: v1(42.1,28.9) R211.1
  L4 Bottom w0.2: v1(42.1,28.9) 45.5,28.9 48.8,32.2 55.6,32.2 69.3,18.5 78.2,18.5 v1(78.9,19.2)
NetR302_2: R302.2 U300.6 | length 2.9
  L1 Top w0.15: R302.2 57.7,16.2 58.025,16.525 58.025,16.575 58.05,16.6 U300.6
NetR304_2: R304.2 U300.10 | length 2.9
  L1 Top w0.15: U300.10 60.25,21.05 60.691,20.609 60.941,20.609 R304.2
NetR308_1: R308.1 R311.2 U300.7 U301.2 | length 10.9
  L1 Top w0.2: U300.7 58.95,19.55 59.675,18.825 60.925,18.825 R308.1 R311.2 61.25,15.65 62.2,14.7 v1(65.2,14.7)
  L4 Bottom w0.2: v1(65.2,14.7) U301.2
NetR309_2: R309.2 U300.5 | length 5.2
  L1 Top w0.15: U300.5 57.55,17.55 56.8,16.8 56.8,15.1 57.063,14.837 57.413,14.837 R309.2
NetU200_5: U200.5 U200.6 U200.7 U200.8 U201.5 U201.6 U201.7 U201.8
NetU202_1: U202.1 U203.4 | length 23.2
  L1 Top w0.2: U203.4 77.327,18.973 77.327,18.557 78.184,17.7 v1(79.9,17.7)
  L4 Bottom w0.2: U202.1 67.583,27.217 67.583,26.617 68.2,26 76.836,26 79.9,22.936 v1(79.9,17.7)
P\G\: D301.1 U300.9 | length 40.9
  L1 Top w0.15: U300.9 59.569,20.55 59.819,20.3 v1(60.3,20.3)
  L1 Top w0.2: D301.1 v1(88.5,13.2)
  L4 Bottom w0.2: v1(60.3,20.3) 61,19.6 61,15.2 68.9,7.3 82.6,7.3 v1(88.5,13.2)
VBUS: C300.2 J300.A4-B9 J300.B4-A9 R300.1 R301.2 U300.23 | length 2.2
  L1 Top w0.3: v1(79.8,3.8) 80.55,3.8 R301.2 R300.1
  other v1: 53,15 53.7,15 53,15.7 53.7,15.7 53,16.4 53.7,16.4 80.7,18.6 81.4,18.6 83.8,19 84.5,19 80.7,19.3 81.4,19.3 80.7,22.7 81.4,22.7 83.8,23 84.5,23 80.7,23.4 81.4,23.4
VREG: C306.2 R308.2 U300.11 | length 7.4
  L1 Top w0.15: C306.2 61.348,22.3 61.752,21.896 61.752,21.248 62.1,20.9 62.1,19.35 62.575,18.875 62.575,18.825 R308.2@62.9,18.5
  L1 Top w0.3: U300.11 60.109,21.55 60.259,21.7 60.3,21.7 60.329,21.729 60.679,21.729 61.25,22.3 C306.2
VSYS: C302.2 C303.2 J301.1 U300.15 U300.16
  other v1: 58.3,31.3 59,31.3 58.3,32 59,32 58.3,32.7 59,32.7
pads on no net: BT200. J300. J300.A8 J300.B8 U300.3

## Polygon pours and split planes (outlines as drawn)
NetBT200_N1 on L4 Bottom "NETBT200_N1_L04_P011" (solid, remove dead copper, pour order 11): 3.5,35 14.5,35 14.5,7 3.5,7
NetBT200_P1 on L3 Power (split plane): 87.217,41.482 87.433,41.454 87.645,41.407 87.852,41.342 88.053,41.258 88.246,41.158 88.429,41.041 88.602,40.909 88.762,40.762 88.909,40.602 89.041,40.429 89.158,40.246 89.258,40.053 89.342,39.852 89.407,39.645 89.454,39.433 89.482,39.217 89.491,39.016 89.49,39 89.49,28.252 81.5,28.252 81.435,28.244 81.374,28.218 81.322,28.178 79.822,26.678 79.782,26.626 79.756,26.565 79.748,26.5 79.748,16.5 79.756,16.435 79.782,16.374 79.822,16.322 82.748,13.396 82.748,10.604 81.896,9.752 77.604,9.752 66.752,20.604 66.752,25 66.744,25.065 66.726,25.108 66.718,25.126 66.701,25.149 66.678,25.178 64.252,27.604 64.252,33.396 66.678,35.822 66.701,35.851 66.718,35.874 66.726,35.892 66.744,35.935 66.752,36 66.752,41.49 87,41.49 87.016,41.491
VBUS on L3 Power (split plane): 89.49,3 89.491,2.984 89.482,2.783 89.454,2.567 89.407,2.355 89.342,2.148 89.258,1.947 89.158,1.754 89.041,1.571 88.909,1.398 88.762,1.238 88.602,1.091 88.429,0.959 88.246,0.842 88.053,0.742 87.852,0.658 87.645,0.593 87.433,0.546 87.217,0.518 87.016,0.509 87,0.51 40.752,0.51 40.752,20.248 44.1,20.248 44.1,19.3 50.9,19.3 50.9,20.248 66.396,20.248 77.322,9.322 77.344,9.304 77.374,9.282 77.435,9.256 77.5,9.248 82,9.248 82.065,9.256 82.126,9.282 82.178,9.322 83.178,10.322 83.196,10.344 83.218,10.374 83.244,10.435 83.252,10.5 83.252,13.5 83.244,13.565 83.218,13.626 83.196,13.656 83.178,13.678 80.252,16.604 80.252,26.396 81.604,27.748 89.49,27.748
VSYS on L3 Power (split plane): 66.248,36.104 63.822,33.678 63.782,33.626 63.756,33.565 63.748,33.5 63.748,27.5 63.756,27.435 63.782,27.374 63.822,27.322 66.248,24.896 66.248,20.752 50.9,20.752 50.9,26.1 44.1,26.1 44.1,20.752 40.752,20.752 40.752,41.49 66.248,41.49
NetBT200_N1 on L3 Power (split plane): 3,41.49 40.248,41.49 40.248,20.5 40.248,0.51 3,0.51 2.984,0.509 2.783,0.518 2.567,0.546 2.355,0.593 2.148,0.658 1.947,0.742 1.754,0.842 1.571,0.959 1.398,1.091 1.238,1.238 1.091,1.398 0.959,1.571 0.842,1.754 0.742,1.947 0.658,2.148 0.593,2.355 0.546,2.567 0.518,2.783 0.509,2.984 0.51,3 0.51,39 0.509,39.016 0.518,39.217 0.546,39.433 0.593,39.645 0.658,39.852 0.742,40.053 0.842,40.246 0.959,40.429 1.091,40.602 1.238,40.762 1.398,40.909 1.571,41.041 1.754,41.158 1.947,41.258 2.148,41.342 2.355,41.407 2.567,41.454 2.783,41.482 2.984,41.491
BGND on L2 GND (split plane): 87.217,41.482 87.433,41.454 87.645,41.407 87.852,41.342 88.053,41.258 88.246,41.158 88.429,41.041 88.602,40.909 88.762,40.762 88.909,40.602 89.041,40.429 89.158,40.246 89.258,40.053 89.342,39.852 89.407,39.645 89.454,39.433 89.482,39.217 89.491,39.016 89.49,39 89.49,28.252 81.5,28.252 81.435,28.244 81.374,28.218 81.322,28.178 79.822,26.678 79.782,26.626 79.756,26.565 79.748,26.5 79.748,16.5 79.756,16.435 79.782,16.374 79.822,16.322 82.748,13.396 82.748,10.604 81.896,9.752 77.604,9.752 66.752,20.604 66.752,25 66.744,25.065 66.726,25.108 66.718,25.126 66.701,25.149 66.678,25.178 64.252,27.604 64.252,33.396 66.678,35.822 66.701,35.851 66.718,35.874 66.726,35.892 66.744,35.935 66.752,36 66.752,41.49 87,41.49 87.016,41.491
GND on L2 GND (split plane): 3,41.49 66.248,41.49 66.248,36.104 63.822,33.678 63.782,33.626 63.756,33.565 63.748,33.5 63.748,27.5 63.756,27.435 63.782,27.374 63.822,27.322 66.248,24.896 66.248,20.5 66.256,20.435 66.282,20.374 66.322,20.322 77.322,9.322 77.344,9.304 77.374,9.282 77.435,9.256 77.5,9.248 82,9.248 82.065,9.256 82.126,9.282 82.178,9.322 83.178,10.322 83.196,10.344 83.218,10.374 83.244,10.435 83.252,10.5 83.252,13.5 83.244,13.565 83.218,13.626 83.196,13.656 83.178,13.678 80.252,16.604 80.252,26.396 81.604,27.748 89.49,27.748 89.49,3 89.491,2.984 89.482,2.783 89.454,2.567 89.407,2.355 89.342,2.148 89.258,1.947 89.158,1.754 89.041,1.571 88.909,1.398 88.762,1.238 88.602,1.091 88.429,0.959 88.246,0.842 88.053,0.742 87.852,0.658 87.645,0.593 87.433,0.546 87.217,0.518 87.016,0.509 87,0.51 3,0.51 2.984,0.509 2.783,0.518 2.567,0.546 2.355,0.593 2.148,0.658 1.947,0.742 1.754,0.842 1.571,0.959 1.398,1.091 1.238,1.238 1.091,1.398 0.959,1.571 0.842,1.754 0.742,1.947 0.658,2.148 0.593,2.355 0.546,2.567 0.518,2.783 0.509,2.984 0.51,3 0.51,39 0.509,39.016 0.518,39.217 0.546,39.433 0.593,39.645 0.658,39.852 0.742,40.053 0.842,40.246 0.959,40.429 1.091,40.602 1.238,40.762 1.398,40.909 1.571,41.041 1.754,41.158 1.947,41.258 2.148,41.342 2.355,41.407 2.567,41.454 2.783,41.482 2.984,41.491

## Other copper
L1 Top:
  rectangle net BGND: 75.8,18.5 76.2,19.7
  rectangle net GND: 61.5,36.1 65.7,40.1
  rectangle net GND: 50.9,15.4 52.2,18.2
  rectangle net NetU200_5: 71.2,29.4 73.2,34.2
  rectangle net NetBT200_P1: 77.9,29 82.6,32.9
  rectangle net GND: 73.1,8.1 75.6,11.8
  region net GND: 62.1,23.2 62.6,23.7 62.6,25.7 65.7,25.7 65.7,22.8 64.6,21.7 62.1,21.7
  region net NetC301_2: 57.4,22.3 58.7,22.3 59.5,23.1 61.5,23.1 62.3,23.9 62.3,25.8 63.1,26.6 63.1,28.7 59.6,28.7 59.6,25.9 57.4,23.7
  region net VSYS: 59,34.7 59.4,34.3 59.4,26 57.2,23.8 57.2,22.3 56.4,22.3 56.4,23.5 55.9,24 55.9,34.7
  region net GND: 55.7,34.7 55.7,25.1 54,25.1 53.6,25.5 53.6,28.3 53.5,28.4 52.4,28.4 52.4,31.2 53.5,31.2 53.6,31.3 53.6,34.7
  region net NetC305_2: 45.8,26.9 51.2,26.9 53,26.9 53.4,26.5 53.4,25.4 53.9,24.9 54.6,24.9 56.2,23.3 56.2,22.3 55.4,22.3 55.3,22.4 54.9,22.4 53.5,23.8 51.2,23.8 50.6,24.4 45.8,24.4
  region net GND: 55.5,21.4 51.4,21.4 51.4,23.6 53.4,23.6 54.8,22.2 55.5,22.2
  region net VBUS: 55.3,20.3 54.4,20.3 52.6,18.5 52.6,14.7 54.4,14.7 54.4,19.6 54.6,19.8 55.3,19.8
  region net NetC304_2: 55.3,20.4 55.3,21.2 51.4,21.2 51.2,21 45.8,21 45.8,18.6 52.5,18.6 54.3,20.4
  region net VBUS: 83.3,23.7 81.8,23.7 80.4,23.7 80.4,22.4 81.5,22.4 81.9,22.8 81.9,23 82,23.1 83.3,23.1
  region net GND: 83.3,23.9 80.4,23.9 80.4,25.2 81.5,25.2 82.2,24.5 83.3,24.5
  region net VBUS: 83.2,23.1 83.3,23.1 83.7,22.7 84.8,22.7 84.8,23.3 83.7,23.3 83.3,23.7 83.2,23.7
  region net VBUS: 83.2,18.9 83.3,18.9 83.7,19.3 84.8,19.3 84.8,18.7 83.7,18.7 83.3,18.3 83.2,18.3
  region net GND: 83.3,18.1 80.4,18.1 80.4,16.8 81.5,16.8 82.2,17.5 83.3,17.5
  region net VBUS: 83.3,18.3 81.8,18.3 80.4,18.3 80.4,19.6 81.5,19.6 81.9,19.2 81.9,19 82,18.9 83.3,18.9
  region net NetC200_1: 66.4,34.3 59.6,34.3 59.6,30 64.7,30 65.5,30.8 66.4,30.8
  region net BGND: 77.7,11.8 78.5,11.8 79.8,13.1 82.8,13.1 82.797,10.293 81.569,8.7 77.7,8.7
  pour cut-out: 50.2,22.1 47.3,22.1 44.2,22.1 44.2,24 50.2,24
L4 Bottom:
  rectangle net GND: 53.6,18 59.3,23.3
  region net BGND: 77.9,18.8 79.6,20.5 79.6,22.7 78.9,23.4 74.2,23.4 74.2,18.8
L2 GND (plane layer: these items are gaps in the copper):
  rectangle: 44.1,19.3 50.9,26.1
  lines w0.5: 66.5,42 66.5,36 64,33.5 64,27.5 66.5,25 66.5,20.5 77.5,9.5 82,9.5 83,10.5 83,13.5 80,16.5 80,26.5 81.5,28 90,28
L3 Power (plane layer: these items are gaps in the copper):
  rectangle: 44.1,19.3 50.9,26.1
  lines w0.5: 40.5,0 40.5,20.5 ; 40.5,42 40.5,20.5 ; 66.5,42 66.5,36 64,33.5 64,27.5 66.5,25 66.5,20.5 ; 90,28 81.5,28 80,26.5 80,16.5 83,13.5 83,10.5 82,9.5 77.5,9.5 66.5,20.5 ; 40.5,20.5 50.5,20.5 66.5,20.5

## Silkscreen, mask and mechanical layers (free items; w line width, h text height)
Top Overlay:
  lines w0.15: 79,28.2 79.3,28.5 79.3,29.1 79.3,31.5 81.4,33.6 ; 79.1,33.6 83.6,33.6
  lines w0.254: 38.3,35.5 38.3,41.1 46.8,41.1 46.8,35.5 38.3,35.5
  text "GND" at 66.485,36.5 h2.2 r90
  text "SDA" at 40.242,35.967 h2.2 r90
  text "SCL" at 42.242,35.967 h2.2 r90
  text "GND" at 44.242,35.967 h2.2 r90
  text "VSYS" at 46.242,35.967 h2.2 r90
  text "VSYS" at 62.085,31.6 h2.2 r90
  text "usb" at 83.7,11.22 h3
  text "charge" at 80,7.547 h3
  text ".seProject / battery pack" at 10.8,5.304 h4
  text "rev .seRevision / .seAuthor" at 10.8,1.294 h4
  text "sn" at 54.8,0.2 h4
Bottom Overlay:
  text "2x 18650 cell" at 54.899,29.195 h4
  text "+" at 78.47,28.68 h4 r90
  text "+" at 10.95,13.35 h4 r270
Top Solder:
  circle w3: c87,3 r1.5
  circle w3: c87,39 r1.5
  circle w3: c3,39 r1.5
  circle w3: c3,3 r1.5
Bottom Solder:
  circle w3: c87,3 r1.5
  circle w3: c87,39 r1.5
  circle w3: c3,39 r1.5
  circle w3: c3,3 r1.5
Mechanical 1:
  the board outline again, w0.1